# Altium PCB STM32F429IGT6.PcbDoc (part 5 of 6)
Units mil, origin at the board's own origin, x right, y up, seen from the top; angles counter-clockwise.
Board outline 3765 x 2155 mil, 2 copper layers (Top Layer, Bottom Layer); 135 components, 194 nets, 727 pads, 429 vias.
Unrouted connection lines stored in the file: 1.
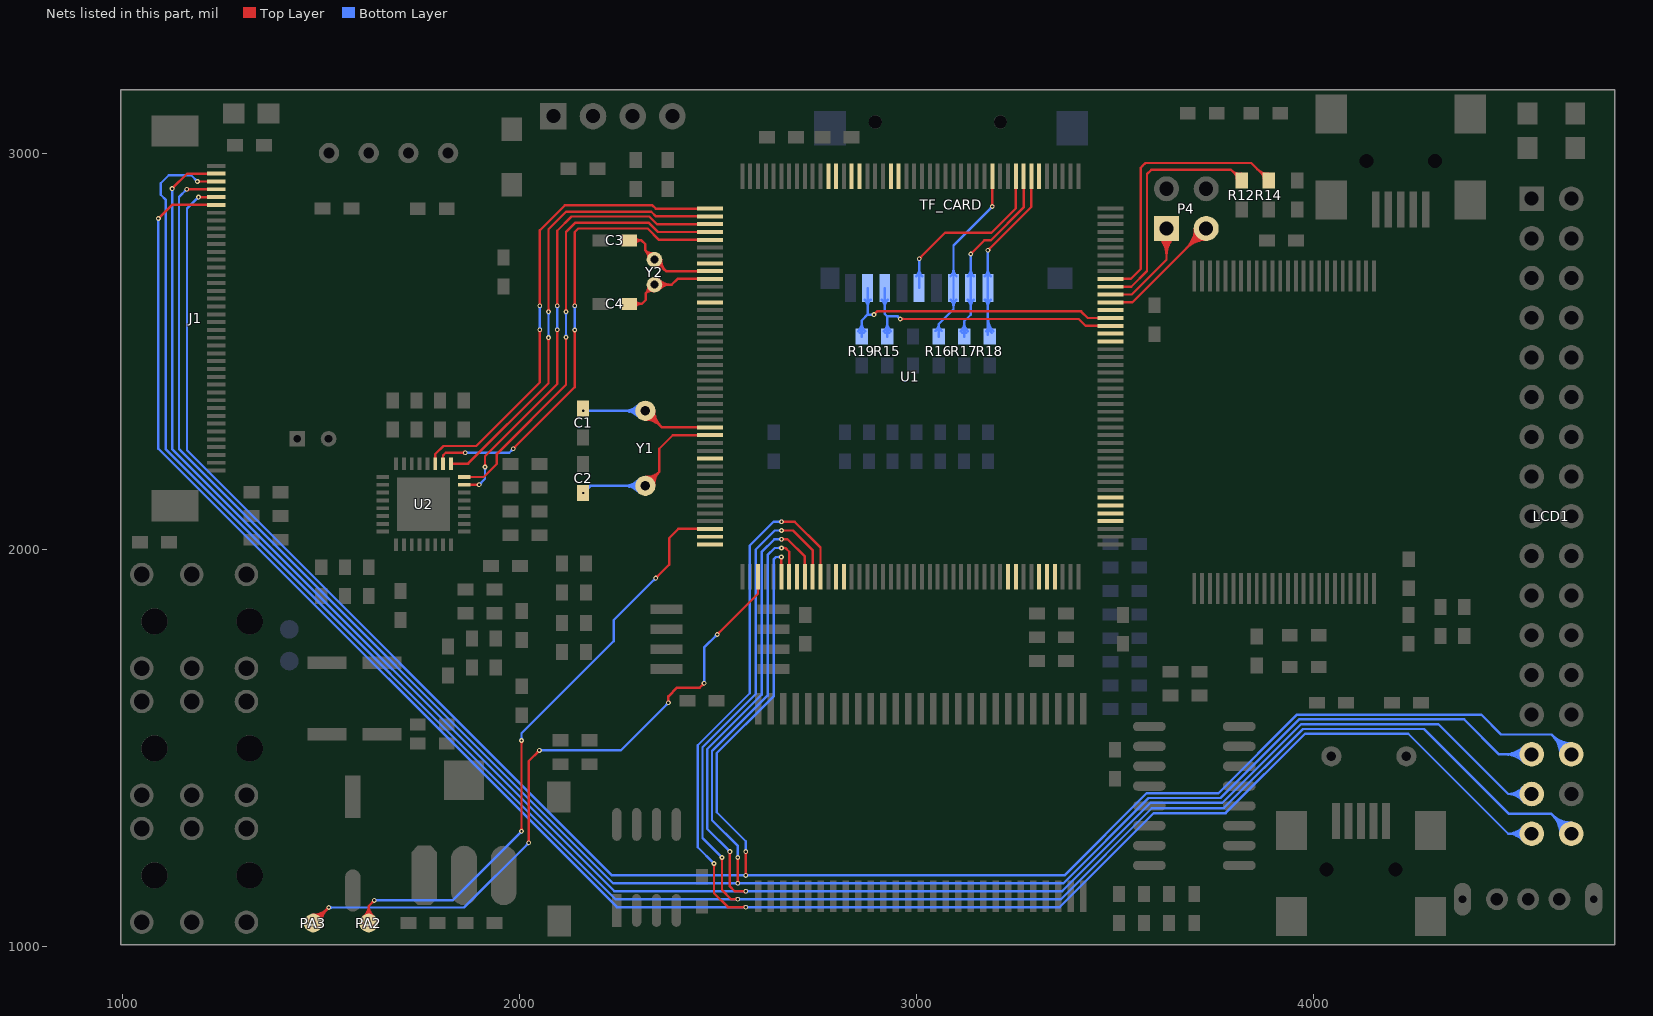
[diagram p5: the nets of this part, all layers, seen from the top]

## Via types
v1: diameter 12, hole 6, Top Layer to Bottom Layer, 405 vias
v2: diameter 16, hole 8, Top Layer to Bottom Layer, 10 vias
v3: diameter 27.56, hole 15.75, Top Layer to Bottom Layer, 9 vias
v4: diameter 16, hole 10, Top Layer to Bottom Layer, 2 vias
v5: diameter 14, hole 8, Top Layer to Bottom Layer, 1 vias
v6: diameter 30, hole 20, Top Layer to Bottom Layer, 1 vias
v7: diameter 26, hole 20, Top Layer to Bottom Layer, 1 vias

## Nets (pads, with @x,y where several pads share a name; then routed paths per layer and width w, separated by ;. In a path a pad name is that pad's centre, name@x,y a point inside that pad or via, vN(x,y) a via of type N, cw(c..) or ccw(c..) an arc to the next point about the centre after c; other vN are vias at no path point) (continued)
PA2: PA2.1 U1.42 | length 1708
  Top Layer w6: PA2.1@1607.09,1076.08 ccw(c1585.48,1103) 1620,1103 ; PA2.1@1610.85,1071.4 ccw(c1595.53,1090.49) 1620,1090.49 ccw(c1644.47,1090.49) PA2.1@1629.15,1071.4 ; PA2.1@1620,1060 1620,1103 ; v1@1631,1117 cw(c1623.76,1117) 1628.88,1111.88 cw(c1634,1106.76) v1@1634,1114 ; PA2.1@1632.91,1076.08 cw(c1654.52,1103) 1620,1103 ; v1(1634,1117) 1620,1103 ; v1@2002.88,1293.12 ccw(c1997.76,1298.24) 2005,1298.24 ccw(c2012.24,1298.24) v1@2007.12,1293.12 ; v1@2002.88,1517.88 cw(c1997.76,1512.76) 2005,1512.76 cw(c2012.24,1512.76) v1@2007.12,1517.88 ; v1(2005,1291) v1(2005,1520) ; v1(2343,1929) 2377,1963 2377,2030 2399.91,2052.91 U1.42@2480,2052.91 ; v1@2343,1932 ccw(c2343,1939.24) 2348.12,1934.12 ccw(c2353.24,1929) v1@2346,1929
  Bottom Layer w6: v1(1634,1117) 1831,1117 v1(2005,1291) ; v1@1636.12,1114.88 cw(c1641.24,1109.76) 1641.24,1117 cw(c1641.24,1124.24) v1@1636.12,1119.12 ; v1@2002,1291 cw(c1994.76,1291) 1999.88,1285.88 cw(c2005,1280.76) v1@2005,1288 ; v1@2002.88,1522.12 ccw(c1997.76,1527.24) 2005,1527.24 ccw(c2012.24,1527.24) v1@2007.12,1522.12 ; v1(2005,1520) 2005,1538 2237,1770 2237,1823 v1(2343,1929) ; v1@2340,1929 cw(c2332.76,1929) 2337.88,1923.88 cw(c2343,1918.76) v1@2343,1926
PA3: PA3.1 U1.47 | length 1959.8
  Top Layer w6: PA3.1@1480,1060 v1(1519,1099) ; PA3.1@1480,1074.62 ccw(c1480,1109.92) 1504.96,1084.96 ccw(c1529.92,1060) PA3.1@1494.62,1060 ; PA3.1@1480,1080.62 ccw(c1480,1130.41) 1515.2,1095.2 ccw(c1550.41,1060) PA3.1@1500.62,1060 ; v1@1516,1099 cw(c1508.76,1099) 1513.88,1093.88 cw(c1519,1088.76) v1@1519,1096 ; v1@2020.88,1264.12 ccw(c2015.76,1269.24) 2023,1269.24 ccw(c2030.24,1269.24) v1@2025.12,1264.12 ; v1(2023,1262) 2023,1468 v1(2050,1495) ; v1@2047,1495 cw(c2039.76,1495) 2044.88,1489.88 cw(c2050,1484.76) v1@2050,1492 ; v1@2372.88,1617.12 ccw(c2367.76,1622.24) 2375,1622.24 ccw(c2382.24,1622.24) v1@2377.12,1617.12 ; v1(2375,1615) 2375,1631 2397,1653 2454,1653 v1(2465,1664) ; v1@2462,1664 cw(c2454.76,1664) 2459.88,1658.88 cw(c2465,1653.76) v1@2465,1661 ; v1(2498,1787) 2600.69,1889.69 U1.47@2600.69,1932.22 ; v1@2498,1790 ccw(c2498,1797.24) 2503.12,1792.12 ccw(c2508.24,1787) v1@2501,1787
  Bottom Layer w6: v1(1519,1099) 1860,1099 v1(2023,1262) ; v1@1521.12,1096.88 cw(c1526.24,1091.76) 1526.24,1099 cw(c1526.24,1106.24) v1@1521.12,1101.12 ; v1@2020,1262 cw(c2012.76,1262) 2017.88,1256.88 cw(c2023,1251.76) v1@2023,1259 ; v1(2050,1495) 2255,1495 v1(2375,1615) ; v1@2052.12,1492.88 cw(c2057.24,1487.76) 2057.24,1495 cw(c2057.24,1502.24) v1@2052.12,1497.12 ; v1@2372,1615 cw(c2364.76,1615) 2369.88,1609.88 cw(c2375,1604.76) v1@2375,1612 ; v1@2462.88,1666.12 ccw(c2457.76,1671.24) 2465,1671.24 ccw(c2472.24,1671.24) v1@2467.12,1666.12 ; v1(2465,1664) 2465,1754 v1(2498,1787) ; v1@2495,1787 cw(c2487.76,1787) 2492.88,1781.88 cw(c2498,1776.76) v1@2498,1784
PA4: J1.36 LCD1.30 U1.50 | length 6146.3
  Top Layer w6: v1(1190.98,2888.98) J1.36@1236,2888.98 ; v1@1193.1,2886.85 cw(c1198.22,2881.73) 1198.22,2888.98 cw(c1198.22,2896.22) v1@1193.1,2891.1 ; v1@2567.88,1182.12 ccw(c2562.76,1187.24) 2570,1187.24 ccw(c2577.24,1187.24) v1@2572.12,1182.12 ; v1@2567.88,1237.88 cw(c2562.76,1232.76) 2570,1232.76 cw(c2577.24,1232.76) v1@2572.12,1237.88 ; v1(2570,1180) v1(2570,1240) ; v1@2657.62,1980.13 cw(c2652.5,1975.01) 2659.74,1975.01 cw(c2666.99,1975.01) v1@2661.87,1980.13 ; U1.50@2659.74,1932.22 v1(2659.74,1982.26)
  Bottom Layer w6: v1@1187.98,2888.98 cw(c1180.73,2888.98) 1185.85,2883.85 cw(c1190.98,2878.73) v1@1190.98,2885.98 ; v1(1190.98,2888.98) 1162,2860 1162,2251 2233,1180 v1(2570,1180) 3373,1180 3580,1387 3761,1387 3959,1585 4423,1585 4473,1535 4600,1535 LCD1.30@4650,1485 ; v1@2567.88,1177.88 ccw(c2562.76,1172.76) 2562.76,1180 ccw(c2562.76,1187.24) v1@2567.88,1182.12 ; v1@2567.88,1242.12 ccw(c2562.76,1247.24) 2570,1247.24 ccw(c2577.24,1247.24) v1@2572.12,1242.12 ; v1(2570,1240) 2570,1266 2497,1339 2497,1488.12 2640,1631.12 2640,1976 2646.26,1982.26 v1(2659.74,1982.26) ; v1@2572.12,1177.88 cw(c2577.24,1172.76) 2577.24,1180 cw(c2577.24,1187.24) v1@2572.12,1182.12 ; v1@2657.62,1980.13 ccw(c2652.5,1975.01) 2652.5,1982.26 ccw(c2652.5,1989.5) v1@2657.62,1984.38 ; LCD1.30@4622,1485 ccw(c4554.4,1485) 4602.2,1532.8 ccw(c4650,1580.6) LCD1.30@4650,1513 ; LCD1.30@4628,1485 ccw(c4574.89,1485) 4612.44,1522.56 ccw(c4650,1560.11) LCD1.30@4650,1507 ; LCD1.30@4634,1485 ccw(c4595.37,1485) 4622.69,1512.31 ccw(c4650,1539.63) LCD1.30@4650,1501
PA5: J1.37 LCD1.29 U1.51 | length 6199.5
  Top Layer w6: v1(1161.66,2908.66) J1.37@1236,2908.66 ; v1@1163.78,2906.54 cw(c1168.9,2901.42) 1168.9,2908.66 cw(c1168.9,2915.9) v1@1163.78,2910.78 ; v1@2547.88,1162.12 ccw(c2542.76,1167.24) 2550,1167.24 ccw(c2557.24,1167.24) v1@2552.12,1162.12 ; v1@2547.88,1222.88 cw(c2542.76,1217.76) 2550,1217.76 cw(c2557.24,1217.76) v1@2552.12,1222.88 ; v1(2550,1160) v1(2550,1225) ; v1(2660,2005) 2670,2005 2679.43,1995.57 U1.51@2679.43,1932.22 ; v1@2662.12,2002.88 cw(c2667.24,1997.76) 2667.24,2005 cw(c2667.24,2012.24) v1@2662.12,2007.12
  Bottom Layer w6: v1@1158.66,2908.66 cw(c1151.42,2908.66) 1156.54,2903.54 cw(c1161.66,2898.42) v1@1161.66,2905.66 ; v1(1161.66,2908.66) 1142,2889 1142,2254.03 2236.03,1160 v1(2550,1160) 3369.97,1160 3584.97,1375 3765.97,1375 3963.97,1573 4380,1573 4468,1485 LCD1.29@4550,1485 ; v1@2547.88,1157.88 ccw(c2542.76,1152.76) 2542.76,1160 ccw(c2542.76,1167.24) v1@2547.88,1162.12 ; v1@2547.88,1227.12 ccw(c2542.76,1232.24) 2550,1232.24 ccw(c2557.24,1232.24) v1@2552.12,1227.12 ; v1(2550,1225) 2550,1254 2485,1319 2485,1493.09 2625,1633.09 2625,1987 2643,2005 v1(2660,2005) ; v1@2552.12,1157.88 cw(c2557.24,1152.76) 2557.24,1160 cw(c2557.24,1167.24) v1@2552.12,1162.12 ; v1@2657.88,2002.88 ccw(c2652.76,1997.76) 2652.76,2005 ccw(c2652.76,2012.24) v1@2657.88,2007.12 ; LCD1.29@4530.2,1465.2 ccw(c4482.4,1417.4) 4482.4,1485 ccw(c4482.4,1552.6) LCD1.29@4530.2,1504.8 ; LCD1.29@4534.44,1469.44 ccw(c4496.89,1431.89) 4496.89,1485 ccw(c4496.89,1538.11) LCD1.29@4534.44,1500.56 ; LCD1.29@4538.69,1473.69 ccw(c4511.37,1446.37) 4511.37,1485 ccw(c4511.37,1523.63) LCD1.29@4538.69,1496.31
PA6: U1.52
PA7: J1.39 LCD1.31 U1.53 | length 6380.5
  Top Layer w6: v1(1124.5,2910.5) 1162.03,2948.03 J1.39@1236,2948.03 ; v1@1124.5,2913.5 ccw(c1124.5,2920.74) 1129.62,2915.62 ccw(c1134.74,2910.5) v1@1127.5,2910.5 ; v1@2527.88,1237.88 cw(c2522.76,1232.76) 2530,1232.76 cw(c2537.24,1232.76) v1@2532.12,1237.88 ; v1(2530,1240) 2530,1152 2542,1140 v1(2570,1140) ; v1@2567.88,1137.88 ccw(c2562.76,1132.76) 2562.76,1140 ccw(c2562.76,1147.24) v1@2567.88,1142.12 ; v1(2660,2027) 2675,2027 2718.8,1983.2 U1.53@2718.8,1932.22 ; v1@2662.12,2024.88 cw(c2667.24,2019.76) 2667.24,2027 cw(c2667.24,2034.24) v1@2662.12,2029.12
  Bottom Layer w6: v1@1122.38,2908.38 cw(c1117.26,2903.26) 1124.5,2903.26 cw(c1131.74,2903.26) v1@1126.62,2908.38 ; v1(1124.5,2910.5) 1124.5,2254.56 2239.06,1140 v1(2570,1140) 3366.94,1140 3589.94,1363 3770.94,1363 3968.94,1561 4315,1561 4491,1385 ; v1@2527,1240 ccw(c2519.76,1240) 2524.88,1245.12 ccw(c2530,1250.24) v1@2530,1243 ; v1(2530,1240) 2473,1297 2473,1498.06 2610,1635.06 2610,1995 2642,2027 v1(2660,2027) ; v1@2567.88,1137.88 ccw(c2562.76,1132.76) 2562.76,1140 ccw(c2562.76,1147.24) v1@2567.88,1142.12 ; v1@2572.12,1137.88 cw(c2577.24,1132.76) 2577.24,1140 cw(c2577.24,1147.24) v1@2572.12,1142.12 ; v1@2657.88,2024.88 ccw(c2652.76,2019.76) 2652.76,2027 ccw(c2652.76,2034.24) v1@2657.88,2029.12 ; LCD1.31@4528.31,1367.29 ccw(c4491,1336.85) 4491,1385 ; LCD1.31@4528.31,1402.71 cw(c4491,1433.15) 4491,1385 ; LCD1.31@4532.96,1371.09 ccw(c4503.65,1347.16) 4503.65,1385 ccw(c4503.65,1422.84) LCD1.31@4532.96,1398.91 ; LCD1.31@4537.6,1374.88 ccw(c4516.29,1357.48) 4516.29,1385 ccw(c4516.29,1412.52) LCD1.31@4537.6,1395.12 ; LCD1.31@4550,1385 4491,1385
PA8: U1.119
PA9: P4.3 U1.120 | length 574
  Top Layer w6: U1.120@3489.09,2623.78 3543.78,2623.78 P4.3@3730,2810 ; P4.3@3701.5,2810 cw(c3632.71,2810) 3681.35,2761.35 cw(c3730,2712.71) P4.3@3730,2781.5 ; P4.3@3707.5,2810 cw(c3653.19,2810) 3691.6,2771.6 cw(c3730,2733.19) P4.3@3730,2787.5 ; P4.3@3713.5,2810 cw(c3673.68,2810) 3701.84,2781.84 cw(c3730,2753.68) P4.3@3730,2793.5
PA10: P4.1 U1.121 | length 512.1
  Top Layer w6: U1.121@3489.09,2643.46 3542.46,2643.46 3630,2731 P4.1@3630,2810 ; P4.1@3609.85,2789.85 cw(c3561.2,2741.2) 3630,2741.2 cw(c3698.8,2741.2) P4.1@3650.15,2789.85 ; P4.1@3614.09,2794.09 cw(c3575.69,2755.69) 3630,2755.69 cw(c3684.31,2755.69) P4.1@3645.91,2794.09 ; P4.1@3618.34,2798.34 cw(c3590.18,2770.18) 3630,2770.18 cw(c3669.82,2770.18) P4.1@3641.66,2798.34
PA11: R12.2 U1.122 | length 667.1
  Top Layer w6: U1.122@3489.09,2663.15 3541.15,2663.15 3581,2703 3581,2947 3592,2958 3792.5,2958 R12.2@3820,2930.5 ; 3794.63,2955.87 ccw(c3815.44,2976.68) R12.2@3818.62,2947.43 ; 3801.24,2949.26 cw(c3786.74,2934.75) R12.2@3807.25,2934.75 ; 3803.48,2947.02 ccw(c3817.18,2960.71) R12.2@3819.27,2941.46
PA12: R14.2 U1.123 | length 756.9
  Top Layer w6: U1.123@3489.09,2682.83 3539.83,2682.83 3565,2708 3565,2963 3569,2967 3577,2975 3843.5,2975 R14.2@3888,2930.5 ; 3858.98,2959.52 ccw(c3888,2988.54) R14.2@3888,2947.5 ; 3869.22,2949.28 ccw(c3888,2968.06) R14.2@3888,2941.5 ; 3869.24,2949.26 cw(c3854.74,2934.75) R14.2@3875.25,2934.75
PA15: U1.138
PB1: U1.57
PB2: U1.58
PB3: U1.161
PB4: U1.162
PB6: U1.164
PB7: U1.165
PB10: U1.79
PB11: U1.80
PB12: U1.92
PB13: U1.93
PB14: U1.94
PB15: U1.95
PC1: U1.33
PC4: J1.38 LCD1.34 U1.54 | length 6715.6
  Top Layer w6: v1(1188.35,2928.35) J1.38@1236,2928.35 ; v1@1190.47,2926.22 cw(c1195.59,2921.1) 1195.59,2928.35 cw(c1195.59,2935.59) v1@1190.47,2930.47 ; v1@2507.88,1222.88 cw(c2502.76,1217.76) 2510,1217.76 cw(c2517.24,1217.76) v1@2512.12,1222.88 ; v1(2510,1225) 2510,1143 2533,1120 v1(2550,1120) ; v1@2547.88,1117.88 ccw(c2542.76,1112.76) 2542.76,1120 ccw(c2542.76,1127.24) v1@2547.88,1122.12 ; v1(2660,2049) 2689,2049 2738.48,1999.52 U1.54@2738.48,1932.22 ; v1@2662.12,2046.88 cw(c2667.24,2041.76) 2667.24,2049 cw(c2667.24,2056.24) v1@2662.12,2051.12
  Bottom Layer w6: v1@1185.35,2928.35 ccw(c1178.1,2928.35) 1183.22,2933.47 ccw(c1188.35,2938.59) v1@1188.35,2931.35 ; v1(1188.35,2928.35) 1172.69,2944 1116,2944 1096,2924 1096,2895 1109,2882 1109,2253.09 2242.09,1120 v1(2550,1120) 3363.91,1120 3592.91,1349 3773.91,1349 3973.91,1549 4279,1549 4493,1335 4600,1335 LCD1.34@4650,1285 ; v1@2507,1225 ccw(c2499.76,1225) 2504.88,1230.12 ccw(c2510,1235.24) v1@2510,1228 ; v1(2510,1225) 2461,1274 2461,1503.03 2595,1637.03 2595,2001 2643,2049 v1(2660,2049) ; v1@2547.88,1117.88 ccw(c2542.76,1112.76) 2542.76,1120 ccw(c2542.76,1127.24) v1@2547.88,1122.12 ; v1@2552.12,1117.88 cw(c2557.24,1112.76) 2557.24,1120 cw(c2557.24,1127.24) v1@2552.12,1122.12 ; v1@2657.88,2046.88 ccw(c2652.76,2041.76) 2652.76,2049 ccw(c2652.76,2056.24) v1@2657.88,2051.12 ; LCD1.34@4622,1285 ccw(c4554.4,1285) 4602.2,1332.8 ccw(c4650,1380.6) LCD1.34@4650,1313 ; LCD1.34@4628,1285 ccw(c4574.89,1285) 4612.44,1322.56 ccw(c4650,1360.11) LCD1.34@4650,1307 ; LCD1.34@4634,1285 ccw(c4595.37,1285) 4622.69,1312.31 ccw(c4650,1339.63) LCD1.34@4650,1301
PC5: J1.35 LCD1.33 U1.55 | length 6612.9
  Top Layer w6: v1(1090,2835) 1124.29,2869.29 J1.35@1236,2869.29 ; v1@1090,2838 ccw(c1090,2845.24) 1095.12,2840.12 ccw(c1100.24,2835) v1@1093,2835 ; v1@2487.88,1207.88 cw(c2482.76,1202.76) 2490,1202.76 cw(c2497.24,1202.76) v1@2492.12,1207.88 ; v1(2490,1210) 2490,1135 2525,1100 v1(2570,1100) ; v1@2567.88,1097.88 ccw(c2562.76,1092.76) 2562.76,1100 ccw(c2562.76,1107.24) v1@2567.88,1102.12 ; v1(2660,2071) 2693,2071 2758.17,2005.83 U1.55@2758.17,1932.22 ; v1@2662.12,2068.88 cw(c2667.24,2063.76) 2667.24,2071 cw(c2667.24,2078.24) v1@2662.12,2073.12
  Bottom Layer w6: v1@1087.88,2832.88 cw(c1082.76,2827.76) 1090,2827.76 cw(c1097.24,2827.76) v1@1092.12,2832.88 ; v1(1090,2835) 1090,2255.12 2245.12,1100 v1(2570,1100) 3360.88,1100 3597.88,1337 3778.88,1337 3978.88,1537 4239,1537 4491,1285 ; v1@2487,1210 ccw(c2479.76,1210) 2484.88,1215.12 ccw(c2490,1220.24) v1@2490,1213 ; v1(2490,1210) 2449,1251 2449,1508 2580,1639 2580,2011 2640,2071 v1(2660,2071) ; v1@2567.88,1097.88 ccw(c2562.76,1092.76) 2562.76,1100 ccw(c2562.76,1107.24) v1@2567.88,1102.12 ; v1@2572.12,1097.88 cw(c2577.24,1092.76) 2577.24,1100 cw(c2577.24,1107.24) v1@2572.12,1102.12 ; v1@2657.88,2068.88 ccw(c2652.76,2063.76) 2652.76,2071 ccw(c2652.76,2078.24) v1@2657.88,2073.12 ; LCD1.33@4528.31,1267.29 ccw(c4491,1236.85) 4491,1285 ; LCD1.33@4528.31,1302.71 cw(c4491,1333.15) 4491,1285 ; LCD1.33@4532.96,1271.09 ccw(c4503.65,1247.16) 4503.65,1285 ccw(c4503.65,1322.84) LCD1.33@4532.96,1298.91 ; LCD1.33@4537.6,1274.88 ccw(c4516.29,1257.48) 4516.29,1285 ccw(c4516.29,1312.52) LCD1.33@4537.6,1295.12 ; LCD1.33@4550,1285 4491,1285
PC6: U1.115
PC7: U1.116
PC8: R15.1 TF_CARD.7 U1.117 | length 823.7
  Top Layer w6: v1(2959,2582) 3409,2582 3426.28,2564.72 U1.117@3489.09,2564.72 ; v1@2961.12,2579.88 cw(c2966.24,2574.76) 2966.24,2582 cw(c2966.24,2589.24) v1@2961.12,2584.12
  Bottom Layer w6: TF_CARD.7@2912.54,2630.72 cw(c2894.13,2612.32) 2920.16,2612.32 cw(c2946.18,2612.32) TF_CARD.7@2927.78,2630.72 ; R15.1@2917.59,2550.77 ccw(c2895.82,2572.53) 2926.6,2572.53 ccw(c2957.38,2572.53) R15.1@2935.61,2550.77 ; TF_CARD.7@2920.16,2660 2920.16,2594.84 2926.6,2588.4 ; R15.1@2921.83,2546.52 ccw(c2910.31,2558.04) 2926.6,2558.04 ccw(c2942.89,2558.04) R15.1@2931.37,2546.52 ; R15.1@2926.6,2537.5 2926.6,2588.4 ; v1(2959,2582) 2952.6,2588.4 2926.6,2588.4
PC9: R19.1 TF_CARD.8 U1.118 | length 877.1
  Top Layer w6: v1(2893,2593) 2901,2601 3415,2601 3431.59,2584.41 U1.118@3489.09,2584.41
  Bottom Layer w6: R19.1@2852.99,2550.77 ccw(c2831.22,2572.53) 2862,2572.53 ccw(c2892.78,2572.53) R19.1@2871.01,2550.77 ; R19.1@2857.23,2546.52 ccw(c2845.71,2558.04) 2862,2558.04 ccw(c2878.29,2558.04) R19.1@2866.77,2546.52 ; R19.1@2862,2537.5 2862,2578 2876.85,2592.85 ; TF_CARD.8@2869.23,2630.72 cw(c2850.83,2612.32) 2876.85,2612.32 cw(c2902.87,2612.32) TF_CARD.8@2884.47,2630.72 ; TF_CARD.8@2876.85,2660 2876.85,2592.85 ; 2885.4,2592.85 ccw(c2885.4,2600.6) v1@2890.88,2595.12 ; 2886.12,2592.85 cw(c2886.12,2586.12) v1@2890.88,2590.88 ; v1@2892.85,2592.85 2876.85,2592.85
PC10: R18.1 TF_CARD.1 U1.139 | length 623.3
  Top Layer w6: v1(3180,2755) 3289.67,2864.67 U1.139@3289.67,2941.32 ; v1@3180,2758 ccw(c3180,2765.24) 3185.12,2760.12 ccw(c3190.24,2755) v1@3183,2755
  Bottom Layer w6: TF_CARD.1@3172.38,2630.72 cw(c3153.98,2612.32) 3180,2612.32 cw(c3206.02,2612.32) TF_CARD.1@3187.62,2630.72 ; TF_CARD.1@3172.38,2689.28 ccw(c3153.98,2707.68) 3180,2707.68 ccw(c3206.02,2707.68) TF_CARD.1@3187.62,2689.28 ; R18.1@3175.99,2550.77 ccw(c3166.29,2560.46) 3180,2560.46 ; v1@3177.88,2752.88 cw(c3172.76,2747.76) 3180,2747.76 cw(c3187.24,2747.76) v1@3182.12,2752.88 ; R18.1@3180,2542.5 TF_CARD.1@3180,2660 v1(3180,2755) ; 3180,2570.11 ccw(c3213.36,2570.11) R18.1@3189.77,2546.52 ; 3180,2584.6 ccw(c3227.85,2584.6) R18.1@3194.01,2550.77
PC11: R17.1 TF_CARD.2 U1.140 | length 653.6
  Top Layer w6: v1(3136.69,2745.69) 3171,2780 3187,2780 3269.98,2862.98 U1.140@3269.98,2941.32 ; v1@3136.69,2748.69 ccw(c3136.69,2755.94) 3141.81,2750.81 ccw(c3146.94,2745.69) v1@3139.69,2745.69
  Bottom Layer w6: R17.1@3111.39,2550.77 ccw(c3089.62,2572.53) 3120.4,2572.53 ccw(c3151.18,2572.53) R17.1@3129.41,2550.77 ; R17.1@3115.63,2546.52 ccw(c3104.11,2558.04) 3120.4,2558.04 ccw(c3136.69,2558.04) R17.1@3125.17,2546.52 ; R17.1@3120.4,2537.5 3120.4,2576.4 3136.69,2592.69 TF_CARD.2@3136.69,2660 v1(3136.69,2745.69) ; TF_CARD.2@3129.07,2630.72 cw(c3110.67,2612.32) 3136.69,2612.32 cw(c3162.72,2612.32) TF_CARD.2@3144.32,2630.72 ; TF_CARD.2@3129.07,2689.28 ccw(c3110.67,2707.68) 3136.69,2707.68 ccw(c3162.72,2707.68) TF_CARD.2@3144.32,2689.28 ; v1@3134.57,2743.57 cw(c3129.45,2738.45) 3136.69,2738.45 cw(c3143.94,2738.45) v1@3138.81,2743.57
PC12: TF_CARD.5 U1.141 | length 514.4
  Top Layer w6: v1(3006.77,2733.77) 3072,2799 3189,2799 3250.3,2860.3 U1.141@3250.3,2941.32 ; v1@3006.77,2736.77 ccw(c3006.77,2744.01) 3011.89,2738.89 ccw(c3017.01,2733.77) v1@3009.77,2733.77
  Bottom Layer w6: TF_CARD.5@2999.15,2689.28 ccw(c2980.75,2707.68) 3006.77,2707.68 ccw(c3032.8,2707.68) TF_CARD.5@3014.39,2689.28 ; v1@3004.65,2731.65 cw(c2999.53,2726.53) 3006.77,2726.53 cw(c3014.01,2726.53) v1@3008.89,2731.65 ; TF_CARD.5@3006.77,2660 v1(3006.77,2733.77)
PC13: U1.8
PC14: C3.2 U1.9 Y2.2 | length 458.2
  Top Layer w6: C3.2@2276.5,2780 2307,2780 ; C3.2@2290.75,2772.35 cw(c2307,2758.91) 2307,2780 ; C3.2@2290.75,2787.65 ccw(c2307,2801.09) 2307,2780 ; Y2.2@2323.53,2734.2 ccw(c2300.48,2737.98) 2317,2754.5 ; Y2.2@2329.46,2733.23 ccw(c2314.69,2735.65) 2325.27,2746.22 ccw(c2335.85,2756.8) Y2.2@2338.27,2742.04 ; Y2.2@2337.3,2747.96 cw(c2333.52,2771.01) 2317,2754.5 ; Y2.2@2340,2714.81 cw(c2340,2674.53) 2368.48,2703.01 cw(c2396.97,2731.5) Y2.2@2356.68,2731.5 ; Y2.2@2340,2720.81 cw(c2340,2695.02) 2358.24,2713.26 cw(c2376.48,2731.5) Y2.2@2350.68,2731.5 ; U1.9@2480,2702.52 2368.98,2702.52 Y2.2@2340,2731.5 2317,2754.5 ; 2307,2780 2317,2770 2317,2754.5
PC15: C4.2 U1.10 Y2.1 | length 449.3
  Top Layer w6: C4.2@2276.5,2620 2308,2620 ; C4.2@2290.52,2612.08 cw(c2308,2596.74) 2308,2620 ; C4.2@2290.52,2627.92 ccw(c2308,2643.26) 2308,2620 ; Y2.1@2323.64,2665.2 cw(c2303.39,2661.12) 2318,2646.5 ; Y2.1@2329.53,2666.39 cw(c2316.55,2663.77) 2325.91,2654.42 cw(c2335.27,2645.06) Y2.1@2337.89,2658.03 ; Y2.1@2336.7,2652.15 ccw(c2332.61,2631.89) 2318,2646.5 ; Y2.1@2347.56,2660.95 cw(c2365.8,2642.71) 2365.8,2668.5 cw(c2365.8,2694.3) Y2.1@2347.56,2676.06 ; Y2.1@2351.8,2656.71 cw(c2380.28,2628.22) 2380.28,2668.5 cw(c2380.28,2708.78) Y2.1@2351.8,2680.3 ; U1.10@2480,2682.83 2397.83,2682.83 2383.5,2668.5 Y2.1@2340,2668.5 2318,2646.5 ; 2308,2620 2318,2630 2318,2646.5
PD2: R16.1 TF_CARD.3 U1.144 | length 603.7
  Top Layer w6: v1@3189.12,2867.36 ccw(c3184,2872.48) 3191.24,2872.48 ccw(c3198.48,2872.48) v1@3193.36,2867.36 ; v1(3191.24,2865.24) U1.144@3191.24,2941.32
  Bottom Layer w6: R16.1@3047.69,2551.58 ccw(c3033.48,2568.8) 3055.8,2568.8 ; R16.1@3055.8,2537.5 3055.8,2568.8 ; R16.1@3063.91,2551.58 cw(c3078.12,2568.8) 3055.8,2568.8 ; TF_CARD.3@3085.76,2630.72 cw(c3067.36,2612.32) 3093.39,2612.32 cw(c3119.41,2612.32) TF_CARD.3@3101.01,2630.72 ; TF_CARD.3@3085.76,2689.28 ccw(c3067.36,2707.68) 3093.39,2707.68 ccw(c3119.41,2707.68) TF_CARD.3@3101.01,2689.28 ; v1@3188.24,2865.24 cw(c3181,2865.24) 3186.12,2860.12 cw(c3191.24,2855) v1@3191.24,2862.24 ; v1(3191.24,2865.24) 3093.39,2767.39 TF_CARD.3@3093.39,2660 3093.39,2606.39 3055.8,2568.8
PE2: U1.1 U2.11 | length 1249.2
  Top Layer w6: U2.11@1787.53,2217.41 1787.53,2241.5 1808.03,2262 1891,2262 2051,2422 v1(2051,2555) ; v1@2048.88,2552.88 cw(c2043.76,2547.76) 2051,2547.76 cw(c2058.24,2547.76) v1@2053.12,2552.88 ; v1@2048.88,2617.12 ccw(c2043.76,2622.24) 2051,2622.24 ccw(c2058.24,2622.24) v1@2053.12,2617.12 ; v1(2051,2615) 2051,2805 2114,2868 2335,2868 2343,2860 U1.1@2480,2860
  Bottom Layer w6: v1@2048.88,2557.12 ccw(c2043.76,2562.24) 2051,2562.24 ccw(c2058.24,2562.24) v1@2053.12,2557.12 ; v1@2048.88,2612.88 cw(c2043.76,2607.76) 2051,2607.76 cw(c2058.24,2607.76) v1@2053.12,2612.88 ; v1(2051,2555) v1(2051,2615)
PE3: U1.2 U2.9 | length 1193.6
  Top Layer w6: U2.9@1826.9,2217.41 1870.41,2217.41 2073,2420 v1(2073,2535) ; v1@2070.88,2532.88 cw(c2065.76,2527.76) 2073,2527.76 cw(c2080.24,2527.76) v1@2075.12,2532.88 ; v1@2070.88,2602.12 ccw(c2065.76,2607.24) 2073,2607.24 ccw(c2080.24,2607.24) v1@2075.12,2602.12 ; v1(2073,2600) 2073,2808 2117,2852 2331.91,2852 2343.6,2840.32 U1.2@2480,2840.32
  Bottom Layer w6: v1@2070.88,2537.12 ccw(c2065.76,2542.24) 2073,2542.24 ccw(c2080.24,2542.24) v1@2075.12,2537.12 ; v1@2070.88,2597.88 cw(c2065.76,2592.76) 2073,2592.76 cw(c2080.24,2592.76) v1@2075.12,2597.88 ; v1(2073,2535) v1(2073,2600)
PE4: U1.3 U2.7 | length 1257.9
  Top Layer w6: U2.7@1860.41,2164.21 v1(1898,2164.21) ; v1@1895.88,2162.09 ccw(c1890.76,2156.97) 1890.76,2164.21 ccw(c1890.76,2171.46) v1@1895.88,2166.33 ; v1@1910.94,2211.18 ccw(c1905.82,2216.3) 1913.06,2216.3 ccw(c1920.3,2216.3) v1@1915.18,2211.18 ; v1(1913.06,2209.06) 1913.06,2236.06 2095,2418 v1(2095,2555) ; v1@2092.88,2552.88 cw(c2087.76,2547.76) 2095,2547.76 cw(c2102.24,2547.76) v1@2097.12,2552.88 ; v1@2092.88,2617.12 ccw(c2087.76,2622.24) 2095,2622.24 ccw(c2102.24,2622.24) v1@2097.12,2617.12 ; v1(2095,2615) 2095,2804 2131,2840 2326.94,2840 2346.31,2820.63 U1.3@2480,2820.63
  Bottom Layer w6: v1(1898,2164.21) 1913.06,2179.27 v1(1913.06,2209.06) ; v1@1898,2167.21 ccw(c1898,2174.46) 1903.12,2169.33 ccw(c1908.24,2164.21) v1@1901,2164.21 ; v1@1910.94,2206.94 cw(c1905.82,2201.82) 1913.06,2201.82 cw(c1920.3,2201.82) v1@1915.18,2206.94 ; v1@2092.88,2557.12 ccw(c2087.76,2562.24) 2095,2562.24 ccw(c2102.24,2562.24) v1@2097.12,2557.12 ; v1@2092.88,2612.88 cw(c2087.76,2607.76) 2095,2607.76 cw(c2102.24,2607.76) v1@2097.12,2612.88 ; v1(2095,2555) v1(2095,2615)
PE5: U1.4 U2.8 | length 1180
  Top Layer w6: U2.8@1860.41,2183.9 1909.9,2183.9 1943,2217 1943,2242 2117,2416 v1(2117,2536) ; v1@2114.88,2533.88 cw(c2109.76,2528.76) 2117,2528.76 cw(c2124.24,2528.76) v1@2119.12,2533.88 ; v1@2114.88,2602.12 ccw(c2109.76,2607.24) 2117,2607.24 ccw(c2124.24,2607.24) v1@2119.12,2602.12 ; v1(2117,2600) 2117,2801 2140,2824 2325.97,2824 2349.03,2800.94 U1.4@2480,2800.94
  Bottom Layer w6: v1@2114.88,2538.12 ccw(c2109.76,2543.24) 2117,2543.24 ccw(c2124.24,2543.24) v1@2119.12,2538.12 ; v1@2114.88,2597.88 cw(c2109.76,2592.76) 2117,2592.76 cw(c2124.24,2592.76) v1@2119.12,2597.88 ; v1(2117,2536) v1(2117,2600)
PE6: U1.5 U2.10 | length 1262.4
  Top Layer w6: U2.10@1807.21,2217.41 1807.21,2238.21 1814,2245 v1(1863,2245) ; v1@1860.88,2242.88 ccw(c1855.76,2237.76) 1855.76,2245 ccw(c1855.76,2252.24) v1@1860.88,2247.12 ; v1(1984,2255) 1984,2255.21 2139,2410.21 v1(2139,2554) ; v1@1984,2258 ccw(c1984,2264.73) 1988.76,2259.97 ; v1@1987,2255 cw(c1994.76,2255) 1989.27,2260.49 ; v1@2136.88,2551.88 cw(c2131.76,2546.76) 2139,2546.76 cw(c2146.24,2546.76) v1@2141.12,2551.88 ; v1@2136.88,2617.12 ccw(c2131.76,2622.24) 2139,2622.24 ccw(c2146.24,2622.24) v1@2141.12,2617.12 ; v1(2139,2615) 2139,2801 2148,2810 2323,2810 2351.74,2781.26 U1.5@2480,2781.26
  Bottom Layer w6: v1(1863,2245) 1974,2245 v1(1984,2255) ; v1@1865.12,2242.88 cw(c1870.24,2237.76) 1870.24,2245 cw(c1870.24,2252.24) v1@1865.12,2247.12 ; v1@1981,2255 cw(c1973.76,2255) 1978.88,2249.88 cw(c1984,2244.76) v1@1984,2252 ; v1@2136.88,2556.12 ccw(c2131.76,2561.24) 2139,2561.24 ccw(c2146.24,2561.24) v1@2141.12,2556.12 ; v1@2136.88,2612.88 cw(c2131.76,2607.76) 2139,2607.76 cw(c2146.24,2607.76) v1@2141.12,2612.88 ; v1(2139,2554) v1(2139,2615)
PG13: U1.156
PG14: U1.157
PH0: C1.1 U1.29 Y1.2 | length 645.3
  Top Layer w6: Y1.2@2317,2327.9 cw(c2317,2273.36) 2355.56,2311.92 cw(c2394.13,2350.49) Y1.2@2339.59,2350.49 ; Y1.2@2317,2333.9 cw(c2317,2293.84) 2345.32,2322.17 cw(c2373.64,2350.49) Y1.2@2333.59,2350.49 ; Y1.2@2317,2350.49 2358.67,2308.82 U1.29@2480,2308.82
  Bottom Layer w6: v1(2160.49,2350.49) Y1.2@2317,2350.49 ; v1@2162.61,2348.37 cw(c2167.73,2343.25) 2167.73,2350.49 cw(c2167.73,2357.73) v1@2162.61,2352.61 ; Y1.2@2301.03,2334.51 ccw(c2262.46,2295.95) 2262.46,2350.49 ccw(c2262.46,2405.03) Y1.2@2301.03,2366.46 ; Y1.2@2305.27,2338.76 ccw(c2276.95,2310.44) 2276.95,2350.49 ccw(c2276.95,2390.54) Y1.2@2305.27,2362.22
PH1: C2.1 U1.30 Y1.1 | length 701.6
  Top Layer w6: Y1.1@2317,2161.51 2352,2196.51 ; Y1.1@2318.18,2178.06 ccw(c2320.41,2209.51) 2342.7,2187.21 ccw(c2364.99,2164.92) Y1.1@2333.55,2162.69 ; Y1.1@2318.6,2184.05 ccw(c2321.65,2226.86) 2352,2196.51 ; Y1.1@2339.53,2163.11 cw(c2382.35,2166.16) 2352,2196.51 ; U1.30@2480,2289.13 2386.13,2289.13 2352,2255 2352,2196.51
  Bottom Layer w6: v1(2160.5,2143.5) 2178.51,2161.51 Y1.1@2317,2161.51 ; v1@2160.5,2146.5 ccw(c2160.5,2153.74) 2165.62,2148.62 ccw(c2170.74,2143.5) v1@2163.5,2143.5 ; Y1.1@2301.03,2145.54 ccw(c2262.46,2106.97) 2262.46,2161.51 ccw(c2262.46,2216.05) Y1.1@2301.03,2177.49 ; Y1.1@2305.27,2149.78 ccw(c2276.95,2121.46) 2276.95,2161.51 ccw(c2276.95,2201.56) Y1.1@2305.27,2173.24
PH2: U1.43
PH3: U1.44
PH6: U1.83
PH7: U1.84
PH8: U1.85
PI11: U1.13